# KiCad board ISA65816.kicad_pcb (continued)
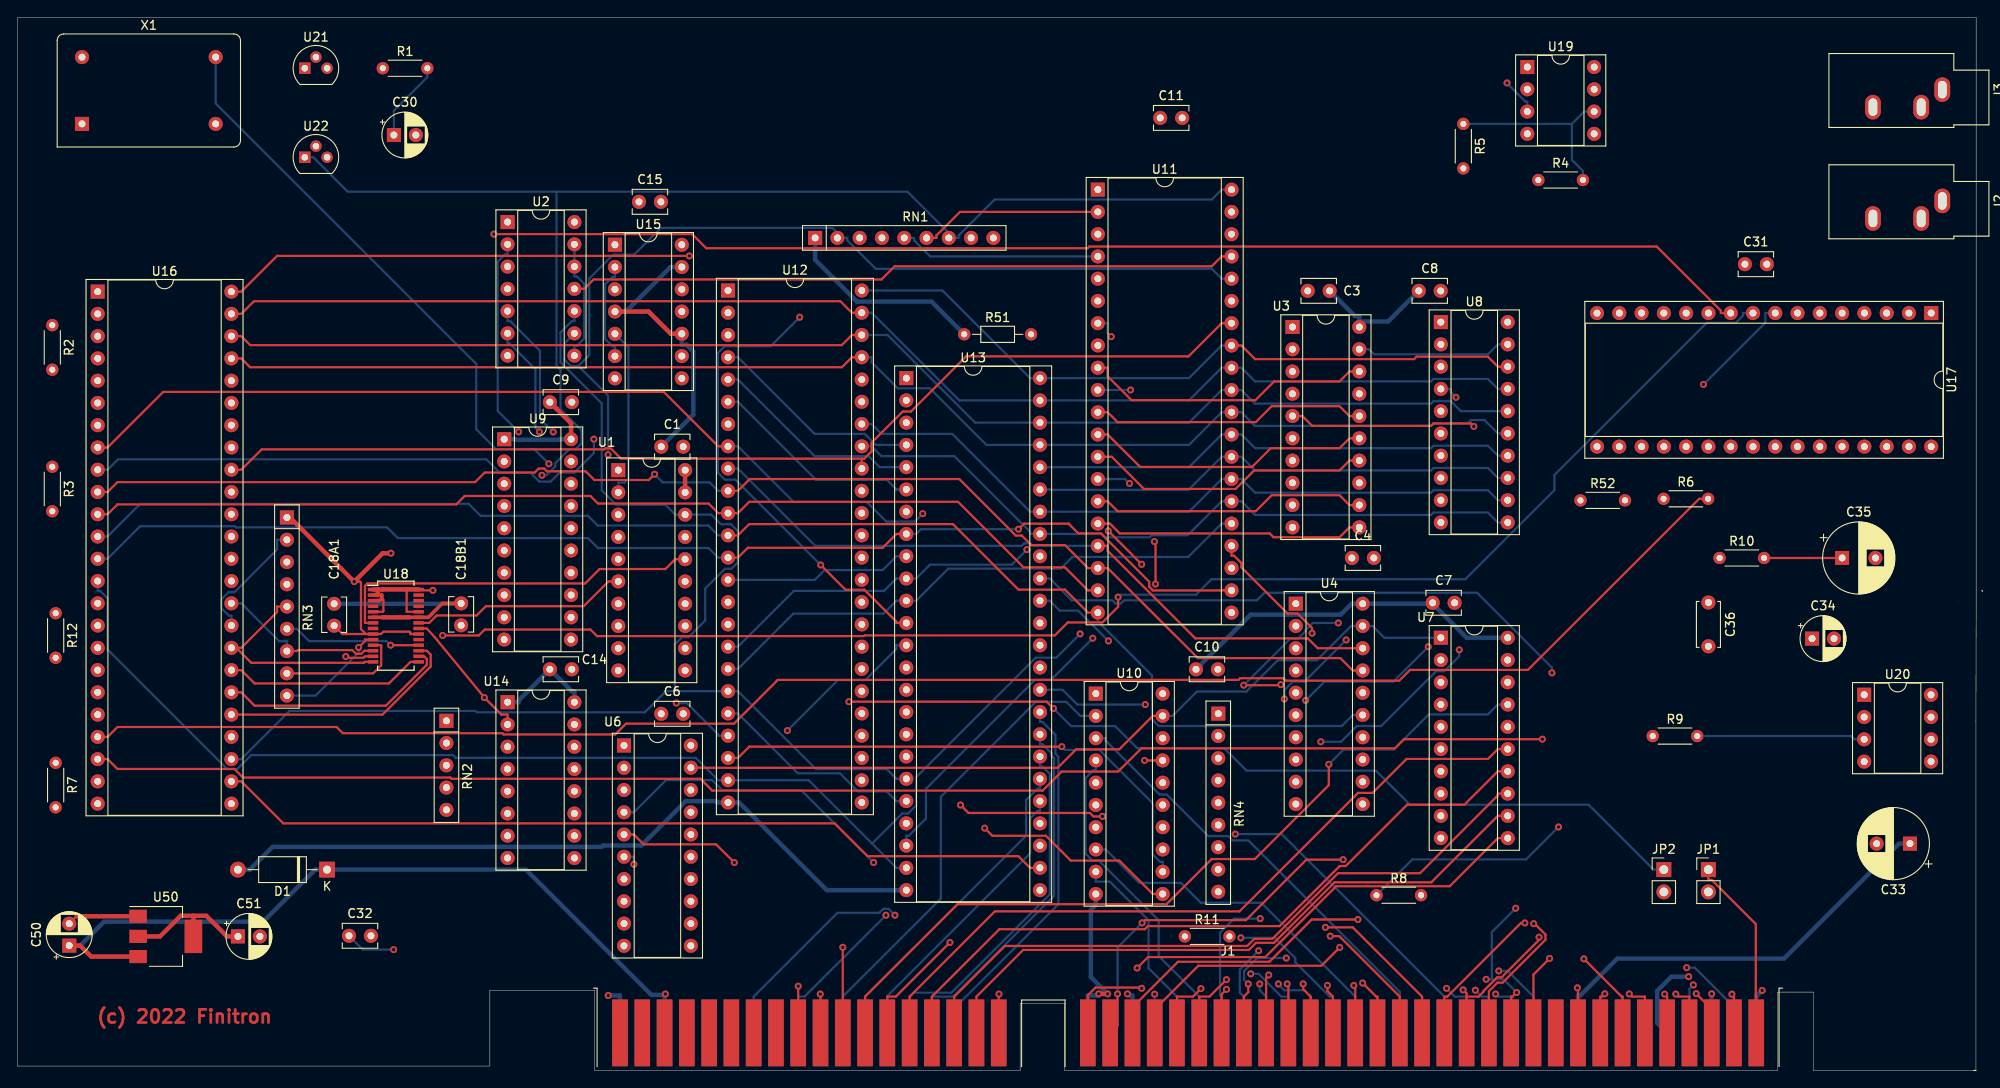
[diagram p0: board, top side]
## Routing (per net, layer and track width the routed paths; a pad name or vN(x,y) marks a point on that pad's centre or on a via; arc(x,y) is an arc through that point) (continued)
/NMI*: length 169.9
  In1.Cu w0.25: JP1.2 192.77,21.55 193.58,21.55 196.43,24.41 196.43,71.65 194.44,73.64 188.37,73.64 152.19,109.82 129.75,109.82 124.28,104.35 124.28,89.77 123.44,88.93 123.16,88.93 U11.6 120.38,87.8 116.57,84 R51.2
/NMIB: length 76.7
  In1.Cu w0.25: U21.1 32.75,115.82 33.55,116.63 76.07,116.63 97.42,95.28 97.42,95 RN1.4
/RDY: length 20.9
  Top w0.25: RN1.6 104.75,95 104.75,95.28 107.44,97.96 U11.2
/REFRESH*: length 67.1
  Top w0.25: U12.22 81,35.66 82.13,35.66 83.42,36.94 v1(119.05,36.94)
  In1.Cu w0.25: U10.12 130.55,22.68 135.51,22.68 135.76,22.93 RN4.8
  Bottom w0.25: 130.55,23.24 U10.12 ; 130.55,23.24 130.55,22.68 ; 130.55,23.24 130.55,23.8 130.27,23.8 129.42,24.65 129.42,30.48 123.33,36.58 119.42,36.58 v1(119.05,36.94)
/RESET: length 122
  Top w0.25: v1(94.78,42.08) 117.32,42.08 v1(118.1,41.3)
  In1.Cu w0.25: v1(94.78,42.08) 89.74,47.12 78.29,47.12 77.23,48.18 U1.12
  Bottom w0.25: v1(118.1,41.3) 120.11,39.3 125.13,39.3 127.65,36.77 137.55,36.77 140.11,34.21 154.86,34.21 158.75,30.32 179.11,30.32 186.51,22.92 187.69,22.92 JP2.1
/SBHE: length 54.1
  Top w0.25: 111.86,6.49 111.86,8.69 v1(111.89,8.72) ; 111.86,6.49 111.86,4.29 ; 111.86,6.49 J1.81
  In1.Cu w0.25: 69.72,16.19 U6.9 ; 69.72,16.19 77.91,7.99 111.16,7.99 v1(111.89,8.72) ; 69.72,16.19 69.14,16.76
/SMEMR*: length 116.7
  In1.Cu w0.25: v1(168.51,8.72) 165.78,5.99 134.36,5.99 127.49,12.86 87.72,12.86 77.32,23.26 70.53,23.26 v1(70.26,23.53)
  Bottom w0.25: 170.28,4.29 170.28,6.35 ; 170.28,6.35 J1.12 ; 170.28,6.35 170.28,8.43 168.8,8.43 v1(168.51,8.72) ; v1(70.26,23.53) 70.26,24.38 U6.6
/SMEMW*: length 120.5
  In1.Cu w0.25: v1(168.87,11.36) 169.25,10.98 169.25,8.38 166.41,5.54 133.86,5.54 128.85,10.55 87.79,10.55 82.91,15.43 75.55,15.43 69.14,21.84 U6.7
  Bottom w0.25: J1.11 172.82,4.29 172.82,8.43 169.89,11.36 v1(168.87,11.36)
/TC: length 51.3
  Top w0.25: U10.11 130.55,20.14 129.42,20.14 125.61,23.95 120.07,23.95 117.24,26.78 111.13,26.78 v1(110.26,27.65)
  In1.Cu w0.25: U12.27 96.24,35.09 96.24,35.09 ; R11.1 133.08,15.89 133.08,15.89 ; 96.24,35.66 96.24,35.09 ; 96.24,35.09 96.24,34.53 95.96,34.53 95.09,33.66 95.09,32.64 95.88,31.85 97.74,31.85 100.27,29.32 103.33,29.32 105,27.65 v1(110.26,27.65) ; 133.08,15.89 133.08,16.48 130.55,19.01 U10.11 ; 133.08,15.89 133.08,15.3
/VPA: length 78.1
  Top w0.25: v1(124.35,61.56) v1(128.16,57.75)
  In1.Cu w0.25: v1(128.16,57.75) 126.12,57.75 124.57,56.2 122.97,56.2 122.03,55.25 122.03,49.88 v1(122.58,49.32) ; v1(124.35,61.56) 124.69,61.9 v1(124.69,83.73)
  Bottom w0.25: 101.32,26.22 101.32,26.78 101.6,26.78 103.56,28.74 103.56,32.14 115.99,44.57 117.82,44.57 v1(122.58,49.32) ; 101.32,26.22 101.32,25.66 ; 101.32,26.22 101.32,26.22 U13.22 ; v1(124.69,83.73) 124.28,84.14 124.28,85.26 U11.7
/XDACK0*: length 54.4
  Bottom w0.25: J1.70 94.08,4.29 94.08,8.43 105.26,19.61 105.26,31.23 116.09,42.06 119.56,42.06 121.17,40.46 122.93,40.46 U10.2
/XDACK1*: length 51.5
  Bottom w0.25: J1.17 157.58,4.29 157.58,8.98 140.31,26.24 138.53,26.24 138.03,26.74 135.76,26.74 131.01,31.49 130.2,31.49 124.05,37.63 124.05,37.92 122.93,37.92 U10.3
/XDACK2*: length 38.1
  Bottom w0.25: 122.93,35.38 122.93,34.81 ; 122.93,34.81 U10.4 ; 122.93,34.81 122.93,34.25 122.65,34.25 121.76,33.36 121.76,24.74 122.55,23.95 123.28,23.95 130.09,17.13 130.09,13.05 134.72,8.43 134.72,4.29 J1.26
/XDACK3*: length 54.3
  In1.Cu w0.25: U10.5 122.93,32.84 123.25,32.84 129.45,26.63 138.49,26.63 v1(138.83,26.97)
  Bottom w0.25: J1.15 162.66,4.29 162.66,8.43 144.12,26.97 v1(138.83,26.97)
/XDACK5*: length 49.1
  In1.Cu w0.25: v1(99,17.72) 99.73,18.44 100.94,18.44 104.35,21.85 116.9,21.85 121.8,26.75 121.8,28.33 122.65,29.17 122.93,29.17 122.93,29.89 ; 122.93,29.89 122.93,30.3 ; 122.93,29.89 U10.6
  Bottom w0.25: J1.72 89,4.29 89,8.43 89.72,8.43 v1(99,17.72)
/XDACK6*: length 55.9
  In1.Cu w0.25: 122.93,27.76 122.93,27.19 ; 122.93,27.19 122.93,26.63 122.73,26.63 118.14,22.04 118.14,20.55 115.3,17.72 v1(100.03,17.72) ; 122.93,27.19 U10.7
  Bottom w0.25: 83.92,6.36 J1.74 ; 83.92,6.36 83.92,8.43 93.48,17.99 98.25,17.99 98.7,18.44 99.3,18.44 v1(100.03,17.72) ; 83.92,6.36 83.92,4.29
/XREFRESH*: length 40.7
  Bottom w0.25: J1.19 152.5,4.29 152.5,8.43 141.79,19.14 134.9,19.14 132.63,21.41 127.86,21.41 124.05,25.22 122.93,25.22 U10.8
/XTC: length 23.7
  Bottom w0.25: 122.93,22.11 U10.9 ; 122.93,22.11 122.93,21.55 124.53,21.55 128.93,17.14 128.93,11.67 132.18,8.43 132.18,4.29 J1.27 ; 122.93,22.11 122.93,22.68
BA0: length 194
  Top w0.25: U16.48 25.5,88.86 29.58,92.94 v1(76.59,92.94) ; U11.33 139.53,82.72 141.08,81.16 159.22,81.16 159.5,81.45 167.62,81.45 168.76,80.31 U8.18
  In1.Cu w0.25: 169.88,80.31 169.88,79.75 ; 169.88,79.75 169.88,79.18 169.69,79.18 165.3,74.79 165.3,57.25 165.16,57.11 165.16,50.15 162.97,47.96 162.26,47.96 162.26,47.4 ; 169.88,79.75 169.89,79.75 U8.18 ; v1(76.59,92.94) 91.17,92.94 95.12,89 U12.48 ; 162.26,47.4 162.26,46.83 ; 162.26,47.4 162.27,47.4 U7.2
  Bottom w0.25: U11.33 137.27,82.72 133.55,79 U13.48 115.44,79 105.44,89 U12.48
BA1: length 191.8
  Top w0.25: U12.47 95.12,86.46 93.8,87.77 26.95,87.77 25.5,86.32 U16.47
  In1.Cu w0.25: U8.17 169.89,77.21 169.88,77.21 ; 162.26,44.86 162.26,45.42 162.87,45.42 166.06,48.61 166.06,56.74 166.51,57.19 166.51,72.95 166.75,73.19 166.75,73.79 169.6,76.64 169.88,76.64 169.88,77.21 ; 162.26,44.86 162.27,44.86 U7.3 ; 162.26,44.86 162.26,44.29 ; 169.88,77.21 169.88,77.77
  Bottom w0.25: U12.47 97.37,86.46 107.37,76.46 U13.47 133.55,76.46 137.27,80.18 U11.32 139.53,80.18 141.08,78.62 161.14,78.62 161.42,78.91 167.62,78.91 168.76,77.77 U8.17
BA2: length 191.4
  Top w0.25: U16.46 25.5,83.78 26.53,82.76 93.96,82.76 95.12,83.92 U12.46
  In1.Cu w0.25: 162.26,41.75 162.26,42.32 ; 162.26,42.32 162.27,42.32 U7.4 ; 162.26,42.32 162.26,42.88 162.55,42.88 166.06,46.39 166.06,47.97 166.51,48.42 166.51,56.55 166.96,57 166.96,71.46 169.61,74.1 169.88,74.1 169.88,74.67 ; 169.88,74.67 169.88,75.23 ; 169.88,74.67 169.89,74.67 U8.16
  Bottom w0.25: U12.46 99.18,83.92 109.18,73.92 U13.46 133.55,73.92 137.27,77.64 U11.31 139.53,77.64 141.08,76.08 161.14,76.08 161.42,76.36 163.41,76.36 164.54,75.23 U8.16
BA3: length 192.1
  Top w0.25: U16.45 25.5,81.24 26.51,80.24 93.98,80.24 95.12,81.38 U12.45
  In1.Cu w0.25: 169.88,72.13 169.89,72.13 U8.15 ; 169.88,72.13 169.88,72.69 ; 169.88,72.13 169.88,71.56 169.6,71.56 167.41,69.37 167.41,56.82 166.96,56.37 166.96,48.24 166.51,47.79 166.51,44.3 162.55,40.34 162.26,40.34 162.26,39.78 ; 162.26,39.78 162.27,39.78 U7.5 ; 162.26,39.78 162.26,39.21
  Bottom w0.25: U8.15 168.76,72.69 167.23,74.22 165.72,74.22 165.33,73.83 161.42,73.83 161.14,73.54 141.08,73.54 139.53,75.1 U11.30 137.27,75.1 133.55,71.38 U13.45 110.46,71.38 104,77.84 100.34,77.84 97.37,80.81 97.37,81.38 U12.45
BA4: length 196.6
  In1.Cu w0.25: 96.24,78.27 95.61,78.27 93.91,79.97 79.74,79.97 77.6,77.83 67.15,77.83 66.28,78.7 U16.44 ; 96.24,78.27 96.24,78.56 ; 96.24,78.27 96.24,77.71 96.52,77.71 99.17,75.07 99.17,69.36 100.82,67.71 103.54,67.71 104.67,68.84 U13.44 ; 96.24,78.84 96.24,78.56 ; 96.24,78.56 96.24,78.56 U12.44 ; U8.14 169.88,70.15 169.88,69.02 169.6,69.02 167.86,67.28 167.86,56.63 167.41,56.18 167.41,48.05 166.96,47.6 166.96,42.21 162.55,37.8 162.26,37.8 162.26,36.67 U7.6
  Bottom w0.25: U13.44 133.55,68.84 137.27,72.56 U11.29 139.53,72.56 141.08,71 161.14,71 161.42,71.28 167.62,71.28 168.76,70.15 U8.14
BA5: length 196.3
  In1.Cu w0.25: 96.24,76.02 96.24,76.02 U12.43 ; 96.24,76.02 96.24,75.73 ; 96.24,76.02 96.24,76.3 ; 96.24,75.73 94.5,77.48 80.59,77.48 80.03,76.92 64.82,76.92 64.35,77.38 59.84,77.38 58.62,76.16 U16.43 ; 96.24,75.73 96.24,75.17 96.51,75.17 98.72,72.96 98.72,67.31 100.91,65.12 102.54,65.12 103.72,66.3 U13.43 ; U7.7 162.26,34.13 162.26,35.26 162.55,35.26 167.41,40.12 167.41,47.41 167.86,47.86 167.86,55.99 168.31,56.44 168.31,65.19 169.6,66.48 169.88,66.48 169.88,67.61 U8.13
  Bottom w0.25: U13.43 117.69,66.3 117.73,66.25 133.5,66.25 137.27,70.02 U11.28 139.53,70.02 141.08,68.46 161.14,68.46 161.42,68.74 167.62,68.74 168.76,67.61 U8.13
BA6: length 191.5
  In1.Cu w0.25: 162.26,32.16 162.26,32.72 162.55,32.72 167.86,38.03 167.86,47.23 168.31,47.68 168.31,55.81 168.76,56.26 168.76,63.1 169.6,63.94 169.88,63.94 169.88,64.51 ; 162.26,32.16 162.27,32.16 U7.8 ; 162.26,32.16 162.26,31.59 ; 169.88,64.51 169.89,64.51 U8.12 ; 169.88,64.51 169.88,65.07 ; U12.42 95.12,73.76 93.97,74.9 78.8,74.9 78.41,74.51 26.39,74.51 25.5,73.62 U16.42
  Bottom w0.25: U12.42 97.37,73.76 98.49,72.63 106.56,72.63 115.44,63.76 U13.42 133.55,63.76 137.27,67.48 U11.27 139.53,67.48 141.08,65.92 161.14,65.92 161.42,66.2 167.62,66.2 168.76,65.07 U8.12
BA7: length 196.1
  In1.Cu w0.25: 162.26,29.62 162.26,30.18 162.55,30.18 168.31,35.94 168.31,47.04 168.76,47.49 168.76,55.62 169.88,56.75 169.88,59.64 ; 162.26,29.62 162.27,29.62 U7.9 ; 162.26,29.62 162.26,29.05 ; U12.41 95.12,71.22 93.98,70.08 79.25,70.08 75.73,73.61 43.55,73.61 41.03,71.08 U16.41 ; 169.88,59.64 169.88,62.53 ; 169.88,59.64 169.89,59.64 U8.11
  Bottom w0.25: U12.41 97.37,71.22 98.49,70.09 106.8,70.09 115.44,61.46 115.44,61.22 U13.41 123.67,61.22 124.05,60.83 129.07,60.83 129.31,61.07 133.41,61.07 137.27,64.94 U11.26 139.53,64.94 141.08,63.38 161.14,63.38 161.42,63.66 167.62,63.66 168.76,62.53 U8.11
IRQ1*: length 96.3
  Top w0.25: 116.56,23.12 U13.26 ; 116.56,23.12 116.56,23.12 ; 116.56,23.12 115.44,23.12 114.1,24.45 96.9,24.45 93.16,28.19 30.29,28.19 25.5,32.98 24.38,32.98 U16.26
PH1: length 207.3
  Top w0.25: U7.11 169.88,26.51 168.76,26.51 163.27,21.02 150.33,21.02 142.25,12.94 128.88,12.94 v1(127.63,11.69)
  In1.Cu w0.25: v1(127.63,11.69) 87.51,11.69 82.44,16.76 U6.12 75.63,16.76 75.63,17.04 69.56,23.11 68.78,23.11 68,23.89 68,24.85 68.8,25.65 69.53,25.65 74.76,30.88 74.76,31.64 76.4,33.27 77.09,33.27 77.88,34.06 77.88,40.33 71.31,46.91 68.12,46.91 65.94,49.08 65.94,50.47 63.43,52.98 62.75,52.98 59.06,56.68 59.06,68.78 60.24,69.96 60.88,69.96 61.3,69.54 61.3,67.12 62.64,65.78 67.18,65.78 67.36,65.96 U1.2
  Bottom w0.25: 68.68,83.48 U15.5 68.68,83.48 ; 68.68,83.48 69.64,82.52 69.64,67.54 69.19,67.08 68.49,67.08 68.49,66.52 ; 68.49,66.52 U1.2 68.49,66.52
PH2: length 211.9
  Top w0.25: v1(123.69,28.99) 122.65,28.99 122.25,29.38 108.41,29.38 v1(107.5,30.29)
  In1.Cu w0.25: U13.19 101.32,33.28 104.51,33.28 v1(107.5,30.29) ; v1(139.46,15.13) 139.46,15.45 133.5,21.41 130.22,21.41 128.96,22.66 128.96,23.71 v1(123.69,28.99)
  Bottom w0.25: U16.27 24.38,35.52 25.5,35.52 31,41.02 52.21,41.02 52.37,40.87 71.51,40.87 73.92,43.28 74.94,43.28 ; 74.94,43.28 74.94,48.61 75.78,49.45 76.51,49.45 78.4,51.34 78.4,54.98 80.66,57.25 81.39,57.25 82.13,57.99 82.13,61.53 81.33,62.33 80.18,62.33 79.09,63.42 U1.18 74.98,63.42 73.86,64.54 68.25,64.54 66.6,66.2 66.6,76.12 61.9,80.82 61.9,84.21 63.2,85.52 63.48,85.52 63.48,86.08 ; 74.94,43.28 81,43.28 ; 63.48,86.08 U2.10 63.48,86.08 ; 81,43.28 82.13,43.28 91.02,34.39 99.09,34.39 100.2,33.28 101.32,33.28 U13.19 ; 81,43.28 U12.19 ; v1(139.46,15.13) 143.35,15.13 145.67,12.82 145.67,12.35 149.58,8.43 149.96,8.43 149.96,4.29 J1.20
RESB: length 169.9
  In1.Cu w0.25: U1.8 63.54,55.66 62.62,55.66 59.78,58.51 v1(59.78,67.91)
  Bottom w0.25: 61.45,100.27 61.45,80.41 61.9,79.96 61.9,75.45 64.28,73.07 64.28,71.53 63.65,70.9 62.92,70.9 61.3,69.29 61.3,68.92 60.29,67.91 v1(59.78,67.91) ; 61.45,100.27 37.65,100.27 33.72,104.2 U22.1 ; 61.45,100.27 101.46,100.27 106.73,95 ; 106.73,95 107.29,95 107.29,95.28 111.39,99.38 136.15,99.38 137.27,100.5 U11.40 ; 106.73,95 RN1.7
RWB: length 174.1
  Top w0.25: U12.40 96.24,69.24 96.24,69.24 ; U11.34 137.27,85.26 133.49,81.48 108.15,81.48 101.85,75.19 100.92,75.19 97.37,71.63 97.37,70.65 96.52,69.8 96.24,69.8 ; 96.24,68.68 96.24,69.24 ; 96.24,69.24 96.24,69.8 ; 96.24,69.8 68.81,69.8 67.62,70.98 67.02,70.98 66.91,70.87 27.83,70.87 25.5,68.54 U16.40
  In1.Cu w0.25: U13.40 114.8,58.68 110.91,62.56 100.91,62.56 97.37,66.1 97.37,66.71 96.52,67.55 96.24,67.55 96.24,68.68 U12.40 ; U8.1 161.14,85.39 160.57,85.96 140.22,85.96 139.53,85.26 U11.34
VDA: length 228.6
  Top w0.25: v1(129.73,55.5) 129.73,60.22 v1(129.61,60.35)
  In1.Cu w0.25: v1(129.73,55.5) 129.73,55.42 122.89,48.58 122.22,48.58 121.13,49.67 v1(121.13,49.81) ; v1(129.61,60.35) 126.04,63.92 126.04,77.88 134.69,86.53 148.77,86.53 150.74,88.5 150.74,89.5 142.28,97.96 U11.39
  Bottom w0.25: 97.42,25.89 90.2,33.12 81,33.12 ; 97.42,25.89 100.2,23.12 101.32,23.12 ; 97.42,25.89 100.85,29.32 101.52,29.32 102.45,30.25 102.45,33.47 116.09,47.1 118.43,47.1 v1(121.13,49.81) ; U16.14 9.14,54.72 9.42,54.72 10.26,53.88 10.26,48.03 23.91,34.38 25.03,34.38 26.64,35.98 49.66,35.98 49.97,35.67 77.32,35.67 79.88,33.12 81,33.12 ; 81,33.12 U12.23 ; 101.32,23.12 101.32,23.12 ; 101.32,23.12 U13.23
VU: length 102.7
  In1.Cu w0.25: 9.14,30.44 U16.24 ; D1.2 25.13,22.92
  In1.Cu w0.504: 25.13,22.92 17.92,22.92 10.39,30.44 9.14,30.44
  Bottom w0.25: 101.32,20.58 U13.24 ; 25.13,22.92 D1.2 ; 81,30.58 U12.24
  Bottom w0.504: 101.32,20.58 92.25,20.58 82.25,30.58 79.75,30.58 79.59,30.73 76.18,30.73 71.12,25.67 66.75,25.67 66.59,25.51 29.08,25.51 26.48,22.92 25.13,22.92
WA0: length 161
  Top w0.25: U11.9 124.28,80.18 124.28,79.2 127,76.48 141.12,76.48 143.27,78.63 150.72,78.63 151.84,79.75 152.97,79.75
  In1.Cu w0.25: 101.32,79.73 101.32,79 102.45,79 103.63,80.18 U11.9 ; 101.32,79.73 101.32,79.73 U13.1 ; 101.32,79.73 101.32,80.46 96.6,85.19 85.94,85.19 82.13,89 U12.1 79.88,89 78.47,90.4 74.23,90.4 71.54,93.09 61.69,93.09 56.85,97.93 19.33,97.93 10.26,88.86 U16.1
WA1: length 153
  In1.Cu w0.25: 101.89,76.46 101.32,76.46 101.32,77.58 100.62,77.58 100.2,78 100.2,79.02 96.57,82.65 85.94,82.65 82.13,86.46 U12.2 79.88,86.46 78.86,85.44 31.4,85.44 31.16,85.2 11.39,85.2 10.26,86.32 U16.2 ; 101.89,76.46 102.45,76.46 103.63,77.64 U11.10 ; 101.89,76.46 U13.2 ; U3.17 151.84,77.21 150.72,78.34 142.98,78.34 141.16,76.52 128.01,76.52 v1(126.89,77.64)
  Bottom w0.25: U11.10 v1(126.89,77.64)
WA2: length 152.8
  Top w0.25: U11.11 124.28,75.1 125.41,73.98 141.16,73.98 142.98,75.8 150.72,75.8 151.84,74.67 152.97,74.67
  In1.Cu w0.25: U16.3 10.26,83.78 11.39,82.66 25.79,82.66 26.01,82.88 80.53,82.88 81.57,83.92 ; 81.57,83.92 82.13,83.92 85.62,80.42 94.41,80.42 94.64,80.2 96.54,80.2 97.74,78.99 97.74,78.06 101.89,73.92 ; 81.57,83.92 U12.3 ; 101.89,73.92 102.45,73.92 103.63,75.1 U11.11 ; 101.89,73.92 U13.3
WA3: length 152.4
  Top w0.25: U3.15 151.84,72.13 150.72,71.01 142.88,71.01 140.73,68.86 127.99,68.86 124.28,72.56 U11.12
  In1.Cu w0.25: U11.12 103.63,72.56 102.45,71.38 U13.4 ; U16.4 10.26,81.24 11.42,80.09 26.34,80.09 26.5,80.25 78.75,80.25 79.88,81.38 U12.4
  Bottom w0.25: U13.4 97.84,71.38 96.59,72.63 90.87,72.63 82.13,81.38 U12.4
WA4: length 152.8
  Top w0.25: U11.13 124.75,70.02 128.41,66.35 138.87,66.35 140.98,68.47 150.72,68.47 151.84,69.59 152.97,69.59
  In1.Cu w0.25: U12.5 79.88,78.84 78.41,77.37 65.04,77.37 64.52,77.89 59.49,77.89 59.15,77.55 11.42,77.55 10.26,78.7 U16.5 ; U13.5 102.45,68.84 103.63,70.02 U11.13
  Bottom w0.25: U13.5 98.29,68.84 97.04,70.09 90.87,70.09 82.13,78.84 U12.5
WA5: length 155
  In1.Cu w0.25: U12.6 79.24,76.3 77.98,75.04 11.39,75.04 10.26,76.16 U16.6 ; v1(126.76,66.98) 131.01,71.23 140.95,71.23 142.99,73.27 145.91,73.27 151.84,67.33 151.84,67.05 U3.13 ; U11.14 104.27,67.48 103.09,66.3 U13.6
  Bottom w0.25: U12.6 82.13,76.3 91.02,67.41 99.09,67.41 100.2,66.3 U13.6 ; U11.14 126.26,67.48 v1(126.76,66.98)
WA6: length 153.9
  Top w0.25: U3.12 151.84,64.51 150.72,65.64 142.98,65.64 141.16,63.82 125.41,63.82 124.28,64.94 U11.15
  In1.Cu w0.25: U11.15 103.58,64.94 102.45,63.81 102.45,63.76 101.64,63.76 ; U13.7 101.64,63.76 ; 101.64,63.76 101.63,63.76 98.04,67.35 98.04,71.02 96.44,72.63 83.25,72.63 82.13,73.76 U12.7 79.88,73.76 79.58,74.06 28.48,74.06 26.89,72.48 11.41,72.48 10.26,73.62 U16.7
WA7: length 154.5
  Top w0.25: U12.8 79.88,71.22 73.67,77.42 16.6,77.42 10.26,71.08 U16.8 ; U3.11 151.84,61.97 150.72,60.85 143.19,60.85 142.75,61.28 125.66,61.28 124.53,62.4 U11.16
  In1.Cu w0.25: v1(103.2,63.53) 113.36,63.53 114.49,62.4 U11.16
  Bottom w0.25: U12.8 82.13,71.22 88.48,64.87 96.81,64.87 99.05,62.63 102.29,62.63 v1(103.2,63.53)
WA8: length 159.5
  Top w0.25: U11.17 124.28,59.86 124.28,59.29 134.27,49.3 147.1,49.3 148.23,48.18 U4.18
  In1.Cu w0.25: v1(65.7,72.04) 66.02,72.35 76.34,72.35 79.88,68.82 79.88,68.68 U12.9
  Bottom w0.25: U11.17 115.66,59.86 115.37,60.15 114.77,60.15 114.48,59.86 90.94,59.86 82.13,68.68 U12.9 ; v1(65.7,72.04) 65.7,70.45 63.47,68.22 61.82,68.22 60.79,67.19 59.48,67.19 58.45,68.22 54.95,68.22 53.44,69.74 11.45,69.74 10.26,68.54 U16.9
WA9: length 156.5
  Top w0.25: v1(72.62,68.03) 71.96,67.37 65.76,67.37 64.77,68.36 60.36,68.36 60.05,68.68 59.41,68.68 58.95,68.22 53.26,68.22 52.17,67.13 11.39,67.13 10.26,66 U16.10 ; U12.10 82.13,66.14 83.48,67.49 107.36,67.49 113.81,61.04 114.49,61.04 115.58,59.95 119.41,59.95 122.03,57.32 U11.18 124.28,57.32 134.55,47.05 150.81,47.05 152.22,45.64 U4.17
  Bottom w0.25: v1(72.62,68.03) 73.55,67.1 78.91,67.1 79.88,66.14 U12.10
WA10: length 160
  Top w0.25: U16.11 10.26,63.46 11.39,64.59 50.02,64.59 50.98,65.55 65.31,65.55 66.17,64.69 78.78,64.69 79.88,63.6 U12.11 82.13,63.6 83.41,64.88 107.22,64.88 114.7,57.41 119.41,57.41 122.03,54.78 U11.19
  In1.Cu w0.25: U4.16 152.22,43.1 148.76,46.57 148.76,52.35 145.13,55.98 130.28,55.98 130.04,56.22 125.73,56.22 124.28,54.78 U11.19
WA11: length 161.4
  Top w0.25: U12.12 82.13,61.06 83.41,62.34 106.63,62.34 114.1,54.87 119.41,54.87 122.03,52.24 U11.20
  Bottom w0.25: U16.12 10.26,60.92 14,64.66 51.42,64.66 52.79,63.28 65.03,63.28 66.14,62.18 78.75,62.18 79.88,61.06 U12.12 ; U4.15 152.22,40.56 150.97,39.3 130.11,39.3 129.33,40.08 129.33,45.07 123.28,51.12 123.16,51.12 U11.20
WA12: length 164.1
  Top w0.25: U12.13 82.13,58.52 83.25,59.64 98.62,59.64 100.2,61.22 U13.8 ; U11.22 137.27,54.78 137.26,54.77 129.44,54.77 129.01,55.2 129.01,55.77 123.51,61.28 120.94,61.28 119.82,62.4 114.74,62.4 v1(114.11,61.76)
  In1.Cu w0.25: U11.22 139.53,54.78 142.38,51.93 146.57,51.93 148.31,50.19 148.31,43.98 153.15,39.14 153.35,39.14 153.35,38.58 ; 153.35,38.58 U4.14 153.35,38.58
  Bottom w0.25: U13.8 102.45,61.22 102.99,61.76 v1(114.11,61.76) ; U12.13 79.88,58.52 78.78,59.61 66.17,59.61 65.03,60.74 43.35,60.74 42.13,61.97 24.93,61.97 24.79,62.1 13.98,62.1 10.26,58.38 U16.13
WA13: length 92.9
  In1.Cu w0.25: U4.13 153.35,36.6 153.63,36.6 154.47,37.45 154.47,43.56 153.67,44.37 152.97,44.37 149.39,47.95 149.39,52.35 144.42,57.32 U11.23 137.27,57.32 136.1,58.5 120.96,58.5 120.01,57.55 103.57,57.55 102.45,58.68 U13.9
  Bottom w0.25: U12.14 90.89,55.98 92.01,57.1 98.62,57.1 100.2,58.68 U13.9
WA14: length 98.5
  Top w0.25: v1(147.58,49.89) 147.58,50.48 145.93,52.13 144.79,52.13 139.53,57.4 139.53,57.89 138.68,58.74 138.4,58.74 138.4,59.3 ; 138.4,59.3 U11.24 138.4,59.3
  In1.Cu w0.25: 153.35,33.5 U4.12 153.35,33.5 ; 153.35,33.5 153.35,34.06 153.07,34.06 147.58,39.55 v1(147.58,49.89) ; v1(115.07,59.43) 115.45,59.8 118.93,59.8 120.12,60.99 123.9,60.99 125.26,59.62 137.03,59.62 137.27,59.86 U11.24
  Bottom w0.25: U12.17 81,48.36 82.13,48.36 88.49,54.72 98.78,54.72 100.2,56.14 U13.10 102.45,56.14 104.02,57.71 113.36,57.71 v1(115.07,59.43)
WA15: length 106.1
  In1.Cu w0.25: 153.35,30.96 U4.11 153.35,30.96 ; 153.35,30.96 153.35,31.52 153.63,31.52 154.97,32.87 154.97,45.53 154.7,45.8 154.7,45.88 153.67,46.91 152.63,46.91 149.84,49.69 149.84,52.55 139.99,62.4 U11.25
  Bottom w0.25: U12.18 81,45.82 82.13,45.82 88.44,52.13 98.73,52.13 100.2,53.6 U13.11 102.45,53.6 106.11,57.26 118.93,57.26 120.26,58.59 133.46,58.59 137.27,62.4 U11.25
Net-(C30-Pad1): length 18.6
  In1.Cu w0.25: U22.2 35.29,106.74 C30.1
  Bottom w0.25: C30.1 42.91,109.52 46.72,113.33 R1.2
Net-(C31-Pad1): length 24
  In1.Cu w0.25: 197.49,91.43 C31.1 197.49,91.43 ; 197.49,91.43 198.05,90.87 209.46,90.87 215.8,97.22 J2.T
Net-(C31-Pad2): length 247.3
  In1.Cu w0.25: 199.43,92.97 C31.2 199.43,92.97 ; 199.43,92.97 199.43,93.94 180.23,113.14 174.44,113.14 173.25,111.95 U19.2 157.28,111.95 150.76,118.47 32.77,118.47 28.84,114.54 28.84,112.6 6.03,89.78 6.03,66.89 3.96,64.83 R3.2
Net-(C34-Pad1): length 9.5
  In1.Cu w0.25: C34.1 204.59,48.15 209.4,43.34 209.4,42.86 210.53,42.86 U20.1
Net-(C34-Pad2): length 13.7
  In1.Cu w0.25: U20.8 218.15,42.86 217.02,42.86 210.61,49.28 C34.2
Net-(C35-Pad1): length 38.5
  Top w0.25: C35.1 R10.2
  In1.Cu w0.25: 218.15,35.81 218.15,35.24 ; 218.15,35.81 218.15,35.81 U20.5 ; 218.15,35.81 218.15,36.37 218.43,36.37 219.27,37.21 219.27,46.09 208.01,57.35 208.01,57.91 ; 208.01,57.91 C35.1 208.01,57.91
Net-(C35-Pad2): length 62.3
  In1.Cu w0.25: 215.35,62.02 220.66,67.33 220.66,107.51 218.25,109.92 J3.T ; 215.35,62.02 C35.2 215.35,62.02
Net-(C36-Pad1): length 7.5
  In1.Cu w0.25: R10.1 192.77,57.21 192.77,55.3 ; 192.77,55.3 C36.1 192.77,55.3
Net-(J1-Pad2): length 20.5
  In1.Cu w0.25: 187.69,19.79 JP2.2 ; 187.69,19.79 187.69,20.38 ; 187.69,19.79 187.69,19.2 190.29,16.6 v1(190.29,11.73)
  Bottom w0.25: J1.2 195.68,4.29 195.68,7.26 191.21,11.73 v1(190.29,11.73)
Net-(J1-Pad32): length 21.7
  Top w0.25: 192.77,22.92 192.77,22.33 ; 192.77,22.33 192.77,21.74 193.13,21.74 198.17,16.7 198.17,8.48 198.22,8.43 198.22,4.29 J1.32 ; 192.77,22.33 JP1.1
Net-(R2-Pad2): length 206.3
  In1.Cu w0.25: 173.38,103.4 R4.1 173.38,103.4 ; 173.38,103.4 173.38,107.31 172.4,108.29 172.12,108.29 172.12,108.85 ; 172.12,108.85 U19.3 172.12,108.85 ; R2.2 3.96,80.98 4.99,82.01 4.99,92.07 31.84,118.93 163.57,118.93 v1(169.81,112.68)
  Bottom w0.25: U19.3 172.12,110.54 171.91,110.54 169.81,112.64 v1(169.81,112.68)
Net-(R4-Pad2): length 22.9
  Bottom w0.25: 178.46,102.11 178.46,102.63 177.21,103.88 177.21,108.01 ; 178.46,102.11 R4.2 178.46,102.11 ; 177.21,108.01 R5.1 ; 177.21,108.01 178.62,109.41 U19.6
Net-(R8-Pad1): length 63.3
  In1.Cu w0.25: R9.2 191.5,38.16 190.47,38.16 180.1,27.78 v1(175.68,27.78)
  Bottom w0.25: R8.1 159.01,24.08 171.98,24.08 v1(175.68,27.78) ; R9.2 191.5,38.16 209.03,38.16 209.4,37.78 210.53,37.78 U20.3
Net-(RN3-Pad9): length 12.9
  Top w0.25: 40.53,49.16 U18.10 40.53,49.16 ; 40.53,49.16 39.6,49.16 39.6,48.98 v1(38.88,48.26)
  Bottom w0.25: v1(38.88,48.26) 38.88,47.67 33.98,42.77 RN3.9
Net-(U1-Pad4): length 78.3
  In1.Cu w0.25: U1.4 67.36,60.88 64.96,63.28 62.64,63.28 60.58,65.35 v1(60.58,69.22)
  Bottom w0.25: X1.8 22.59,110.33 52.3,80.62 52.3,73.16 54.55,70.9 58.89,70.9 v1(60.58,69.22)
Net-(U1-Pad6): length 24.7
  Top w0.25: U18.22 46.93,51.07 47.79,51.92 52.34,51.92 53.4,52.98 64.54,52.98 67.36,55.8 U1.6
Net-(U1-Pad16): length 42.9
  Top w0.25: U1.16 74.98,58.34 73.86,57.21 66.35,57.21 64.71,55.57 39.89,55.57 39.6,55.29 39.6,51.07 U18.7
Net-(U2-Pad12): length 15.8
  Bottom w0.25: 63.48,82.13 63.48,82.69 63.77,82.69 64.61,83.53 64.61,89.76 63.77,90.6 63.48,90.6 63.48,91.74 ; 63.48,82.13 U2.8 63.48,82.13 63.48,82.13 ; 63.48,93 63.48,91.74 ; 63.48,93 U2.13 63.48,93 ; 63.48,91.74 U2.12
Net-(U11-Pad37): length 76.4
  Top w0.25: U2.11 64.61,89.18 65.68,90.26 98.49,90.26 99.99,91.76 136.15,91.76 137.27,92.88 U11.37
Net-(U14-Pad9): length 66.7
  In1.Cu w0.25: v1(59.5,72.87) 57.71,71.08 57.71,51.48 58.16,51.03 58.16,35.54 63.1,30.59 63.84,30.59 64.64,29.79 64.64,26.24 63.77,25.37 63.48,25.37 U14.9
  Bottom w0.25: 55.86,83.54 U2.6 55.86,83.54 ; 55.86,83.54 55.86,82.98 56.07,82.98 59.05,80 59.05,73.32 v1(59.5,72.87)
Net-(U14-Pad15): length 66.4
  In1.Cu w0.25: 63.48,40.04 U14.15 63.48,40.04 ; 63.48,40.04 63.48,40.61 63.2,40.61 58.61,45.2 58.61,51.22 58.16,51.67 58.16,69.95 v1(61.07,72.86) ; 55.86,96.24 55.86,95.68 55.58,95.68 54.74,94.84 54.74,91.15 55.58,90.31 55.86,90.31 55.86,89.39 ; 55.86,96.24 U2.1 55.86,96.24 ; 55.86,89.39 U2.5 ; 55.86,89.39 U2.4
  Bottom w0.25: v1(61.07,72.86) 59.56,74.36 59.56,82.1 56.15,85.52 55.86,85.52 55.86,86.08 ; 55.86,86.08 U2.5 55.86,86.08
Net-(U15-Pad2): length 12.5
  Bottom w0.25: 68.11,82.08 68.11,82.64 67.83,82.64 66.98,83.48 66.98,89.7 67.83,90.55 68.11,90.55 68.11,91.11 ; 68.11,82.08 U15.6 68.11,82.08 ; 68.11,91.11 U15.2 68.11,91.11 68.11,91.11
Net-(U15-Pad3): length 13.3
  In1.Cu w0.25: U2.3 56.99,91.72 58.11,90.6 65.52,90.6 66.98,89.13 U15.3

## Copper pours and planes (outline as drawn; the poured copper is in the pictures)
GND on In2.Cu: 223.42,9.91 0.05,9.91 0.05,120.37 223.42,120.37
GND on In2.Cu: 223.17,10.23 -0.01,10.23 -0.01,120.15 223.17,120.15

## Text on the board
Top: (c) 2022 Finitron
